# Altium PCB UNT 3-ALL.pcbdoc (part 3 of 4) (continued)
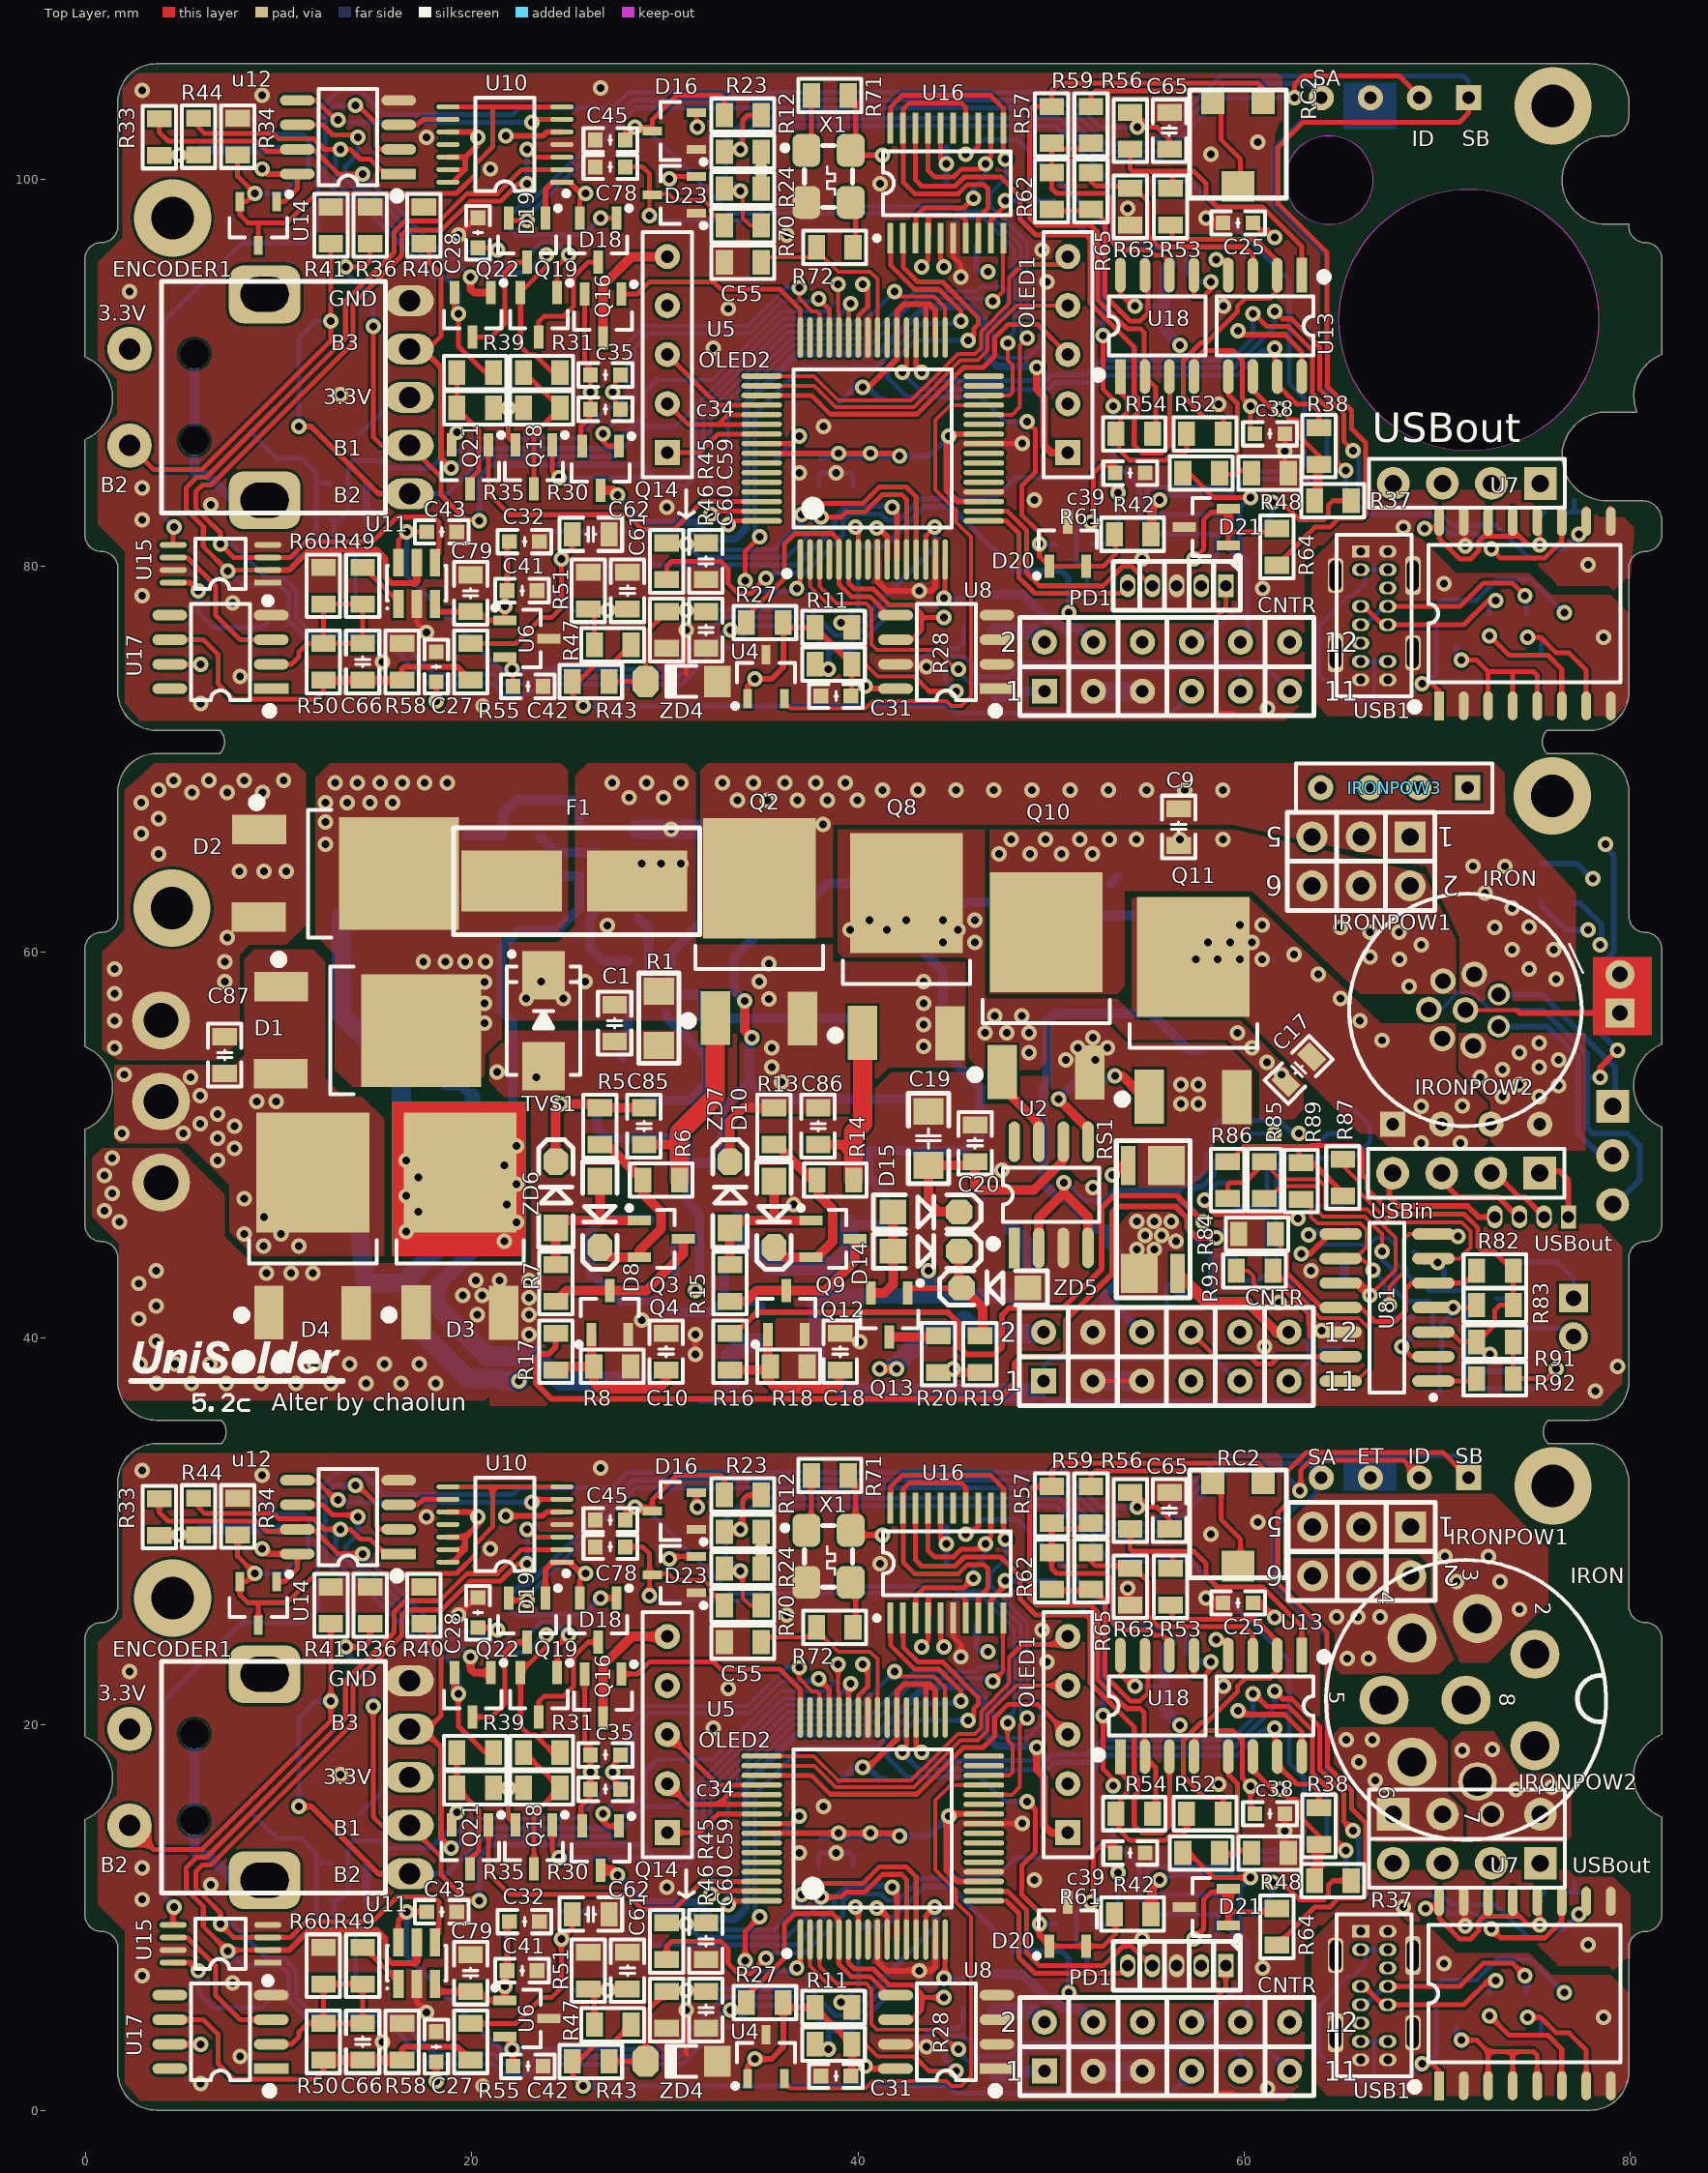
[diagram p0: Top Layer view]
## Nets (pads, with @x,y where several pads share a name; then routed paths per layer and width w, separated by ;. In a path a pad name is that pad's centre, name@x,y a point inside that pad or via, vN(x,y) a via of type N, cw(c..) or ccw(c..) an arc to the next point about the centre after c; other vN are vias at no path point) (continued)
NetR52_2: R52.2 R54.2 U18.1 | length 17.9
  Top Layer w0.254: U18.1@53.594,18.33 53.594,17.526 53.975,17.145 53.975,16.51 53.607,16.142 53.607,15.314 53.533,15.24 53.533,14.539 54.089,13.983 55.918,13.983 56.172,14.237 56.769,14.237 57.023,14.491 R52.2@57.023,15.367 ; U18.1@53.594,89.81 53.594,89.006 53.975,88.625 53.975,87.99 53.607,87.622 53.607,86.794 53.533,86.72 53.533,86.019 54.089,85.463 55.918,85.463 56.172,85.717 56.769,85.717 57.023,85.971 R52.2@57.023,86.847
NetR53_1: R53.1 R56.2 U13.1 | length 28.2
  Top Layer w0.254: R56.2@54.102,30.114 54.102,29.083 54.229,28.956 56.261,28.956 ; R56.2@54.102,101.594 54.102,100.563 54.229,100.436 56.261,100.436 ; R53.1@56.481,28.37 56.296,28.555 56.296,28.921 56.261,28.956 ; R53.1@56.481,99.85 56.296,100.035 56.296,100.401 56.261,100.436 ; U13.1@62.992,23.58 62.992,25.073 60.952,27.113 58.612,27.113 58.039,27.686 58.039,28.321 57.404,28.956 56.261,28.956 ; U13.1@62.992,95.06 62.992,96.553 60.952,98.593 58.612,98.593 58.039,99.166 58.039,99.801 57.404,100.436 56.261,100.436
NetR54_1: R54.1 R57.2 RC2.1 U18.2 | length 72.5
  Top Layer w0.254: R54.1@55.433,15.24 55.433,17.761 U18.2@54.864,18.33 54.815,18.379 54.815,20.623 54.623,20.815 53.939,20.815 53.877,20.877 ; R54.1@55.433,86.72 55.433,89.241 U18.2@54.864,89.81 54.815,89.859 54.815,92.103 54.623,92.295 53.939,92.295 53.877,92.357 ; RC2.1@60.817,32.153 RC2.1@60.817,32.58 ; RC2.1@60.817,103.633 RC2.1@60.817,104.06 ; RC2.1@60.99,32.58 60.99,33.244 60.706,33.528 50.419,33.528 50.038,33.147 R57.2@50.038,32.319 49.083,32.319 48.895,32.131 48.895,26.543 49.276,26.162 52.07,26.162 52.412,25.82 52.412,22.313 53.721,21.004 ; RC2.1@60.99,104.06 60.99,104.724 60.706,105.008 50.419,105.008 50.038,104.627 R57.2@50.038,103.799 49.083,103.799 48.895,103.611 48.895,98.023 49.276,97.642 52.07,97.642 52.412,97.3 52.412,93.793 53.721,92.484 ; 53.721,21.004 53.75,21.004 53.877,20.877 ; 53.721,21.004 53.848,20.877 53.877,20.877 ; 53.721,92.484 53.848,92.357 53.877,92.357 ; 53.721,92.484 53.75,92.484 53.877,92.357
NetR57_1: R57.1 R59.2 R62.2 U18.6 | length 26.6
  Top Layer w0.254: R57.1@50.038,30.419 50.038,28.067 50.292,27.813 52.831,27.813 53.2,27.444 53.2,25.286 53.594,24.892 55.114,24.892 55.386,24.62 55.771,24.62 56.134,24.257 U18.6@56.134,23.58 ; R57.1@50.038,101.899 50.038,99.547 50.292,99.293 52.831,99.293 53.2,98.924 53.2,96.766 53.594,96.372 55.114,96.372 55.386,96.1 55.771,96.1 56.134,95.737 U18.6@56.134,95.06 ; 50.727,30.114 R59.2@52.07,30.114 ; 50.727,101.594 R59.2@52.07,101.594
NetR59_1: R59.1 RC2.2 RC2.3 | length 24.5
  Top Layer w0.254: R59.1@52.07,32.319 52.07,32.88 52.324,33.134 58.56,33.134 58.817,32.877 58.817,30.591 59.817,29.591 RC2.2@59.817,28.553 ; R59.1@52.07,103.799 52.07,104.36 52.324,104.614 58.56,104.614 58.817,104.357 58.817,102.071 59.817,101.071 RC2.2@59.817,100.033
NetR62_1: R62.1 R65.2 U18.7 | length 23.7
  Top Layer w0.254: R62.1@50.038,26.99 50.104,26.924 52.263,26.924 52.806,26.381 52.806,22.505 54.102,21.209 54.61,21.209 55.023,21.622 55.023,23.421 U18.7@54.864,23.58 ; R62.1@50.038,98.47 50.104,98.404 52.263,98.404 52.806,97.861 52.806,93.985 54.102,92.689 54.61,92.689 55.023,93.102 55.023,94.901 U18.7@54.864,95.06
NetR63_2: R63.2 R65.1 U13.3 | length 25.7
  Top Layer w0.254: R65.1@52.07,28.89 52.07,28.448 52.311,28.207 52.994,28.207 53.007,28.194 54.244,28.194 R63.2@54.432,28.382 ; R65.1@52.07,100.37 52.07,99.928 52.311,99.687 52.994,99.687 53.007,99.674 54.244,99.674 R63.2@54.432,99.862 ; R63.2@54.102,28.077 54.346,28.077 55.023,27.4 55.023,25.622 55.594,25.051 60.039,25.051 60.452,24.638 U13.3@60.452,23.58 ; R63.2@54.102,99.557 54.346,99.557 55.023,98.88 55.023,97.102 55.594,96.531 60.039,96.531 60.452,96.118 U13.3@60.452,95.06
NetR71_2: R71.2 X1.1 | length 6.7
  Top Layer w0.254: X1.1@37.585,29.544 37.585,32.886 R71.2@37.592,32.893 ; X1.1@37.585,101.024 37.585,104.366 R71.2@37.592,104.373
NetR72_1: R72.1 X1.3 | length 3.7
  Top Layer w0.254: R72.1@39.885,25.019 X1.3@39.885,26.844 ; R72.1@39.885,96.499 X1.3@39.885,98.324
NetR82_2: R82.2 R84.1 U81.5 U81.11 | length 14.8
  Top Layer w0.254: R84.1@61.878,45.396 61.878,44.661 62.218,44.321 62.218,43.386 64.018,41.586 64.429,41.586 64.44,41.597 66.039,41.597 66.777,40.859 67.821,40.859 68.378,41.416 68.378,42.559 68.675,42.856 U81.5@69.805,42.856 71.408,42.856 R82.2@72.043,43.491
NetR85_1: R85.1 U81.2 | length 17.9
  Top Layer w0.2: R85.1@61.563,47.24 61.563,47.524 61.925,47.886 63.698,47.886 63.845,47.74 63.845,46.543 64.092,46.296 66.251,46.296 67.151,45.396 v1(67.151,44.507)
  Top Layer w0.254: v1(68.167,39.554) 68.675,39.046 U81.2@69.424,39.046
  Bottom Layer w0.254: v1(67.151,44.507) 67.151,44.085 67.786,43.45 67.786,42.518 68.388,41.915 69.572,41.915 69.764,41.724 69.764,40.564 69.572,40.372 68.929,40.372 68.929,40.316 v1(68.167,39.554)
NetR89_2: R89.2 R90.1 U81.7 U81.9 | length 17.9
  Top Layer w0.2: R89.2@63.468,47.192 63.468,46.285 63.807,45.946 66.033,45.946 66.355,45.624 66.355,44.727 U81.9@65.754,44.126 ; U81.9@63.976,44.126 U81.9@65.005,44.126 U81.9@65.754,44.126 ; v1(66.68,43.528) 66.135,44.073 65.807,44.073 U81.9@65.754,44.126 ; v1(67.532,41.713) 67.532,42.671 68.251,43.39 68.251,45.099 68.548,45.396 U81.7@69.805,45.396 69.932,45.269 v1@71.342,45.269
  Bottom Layer w0.2: v1(66.68,43.528) 67.278,42.93 67.278,41.967 v1(67.532,41.713)
  other v1: 71.088,45.269
NetR92_1: R92.1 U81.1 | length 2.7
  Top Layer w0.254: U81.1@69.424,37.776 U81.1@69.805,37.776 71.916,37.776 R92.1@72.043,37.903
NetR93_2: R93.2 U81.14 | length 10.2
  Top Layer w0.2: R93.2@61.624,43.491 61.624,43.447 63.655,41.416 63.655,41.358 63.977,41.036 65.934,41.036 66.488,40.482 66.488,38.44 65.824,37.776 U81.14@65.005,37.776
  Top Layer w0.254: U81.14@64.484,37.776 U81.14@64.738,37.776
NetU10_6: U10.6 u12.5 | length 28.5
  Top Layer w0.254: u12.5@10.964,32.639 11.938,32.639 12.954,31.623 v1(13.081,31.623) ; u12.5@10.964,104.119 11.938,104.119 12.954,103.103 v1(13.081,103.103) ; v1(23.114,31.496) 23.271,31.653 U10.6@24.667,31.653 ; v1(23.114,102.976) 23.271,103.133 U10.6@24.667,103.133
  Bottom Layer w0.254: v1(13.081,31.623) 13.208,31.496 v1(23.114,31.496) ; v1(13.081,103.103) 13.208,102.976 v1(23.114,102.976)
NetU10_9: U10.9 u12.3 | length 5.3
  Top Layer w0.254: u12.3@16.214,31.369 17.194,31.369 17.478,31.653 U10.9@18.767,31.653 ; u12.3@16.214,102.849 17.194,102.849 17.478,103.133 U10.9@18.767,103.133
NetU15_6: U15.6 U17.3 | length 15.5
  Top Layer w0.254: U15.6@4.535,8.961 5.263,8.961 6.731,7.493 6.731,5.969 8.001,4.699 U17.3@9.61,4.699 ; U15.6@4.535,80.441 5.263,80.441 6.731,78.973 6.731,77.449 8.001,76.179 U17.3@9.61,76.179
NetU16_3: U16.3 U16.12 U16.17 | length 28.6
  Top Layer w0.254: U16.3@42.985,25.5 42.993,25.508 42.993,26.61 43.447,27.064 45.479,27.064 v1(45.974,27.559) ; U16.3@42.985,96.98 42.993,96.988 42.993,98.09 43.447,98.544 45.479,98.544 v1(45.974,99.039) ; U16.17@43.635,31.2 43.635,29.009 43.974,28.67 44.955,28.67 44.958,28.673 45.349,29.064 46.336,29.064 v1(46.609,29.337) 46.482,29.337 46.885,29.74 46.885,29.994 ; U16.17@43.635,102.68 43.635,100.489 43.974,100.15 44.955,100.15 44.958,100.153 45.349,100.544 46.336,100.544 v1(46.609,100.817) 46.482,100.817 46.885,101.22 46.885,101.474 ; U16.12@46.885,31.2 46.885,29.994 ; U16.12@46.885,102.68 46.885,101.474 ; 46.893,30.002 46.885,29.994 ; 46.893,101.482 46.885,101.474
  Bottom Layer w0.254: v1(45.974,27.559) 45.974,28.067 46.609,28.702 v1(46.609,29.337) ; v1(45.974,99.039) 45.974,99.547 46.609,100.182 v1(46.609,100.817)
NetU16_8: U16.8 U16.14 U16.19 | length 29.2
  Top Layer w0.254: U16.14@45.593,31.965 45.593,32.258 45.339,32.512 42.672,32.512 42.343,32.183 42.343,28.396 42.939,27.8 45.199,27.8 45.675,28.276 46.527,28.276 46.736,28.067 46.736,27.051 46.243,26.558 46.243,26.201 U16.8@46.26,26.184 ; U16.14@45.593,103.445 45.593,103.738 45.339,103.992 42.672,103.992 42.343,103.663 42.343,99.876 42.939,99.28 45.199,99.28 45.675,99.756 46.527,99.756 46.736,99.547 46.736,98.531 46.243,98.038 46.243,97.681 U16.8@46.26,97.664
NetZD1_1: ZD1.1 ZD2.2 | length 2.6
  Bottom Layer w0.5: ZD2.2@17.189,62.732 19.602,62.732 ZD1.1@19.729,62.605
"OLED CS": OLED2.3 U5.52 | length 11.9
  Top Layer w0.254: OLED2.3@30.127,19.468 32.74,16.855 U5.52@35.015,16.855 ; OLED2.3@30.127,90.948 32.74,88.335 U5.52@35.015,88.335
"OLED D/C": OLED2.2 U5.53 U5.54 | length 15.6
  Top Layer w0.254: OLED2.2@30.127,16.928 31.2,15.855 32.766,15.855 ; OLED2.2@30.127,88.408 31.2,87.335 32.766,87.335 ; U5.54@35.015,15.855 32.766,15.855 ; U5.53@35.015,16.355 33.246,16.355 33.246,16.335 32.766,15.855 ; U5.54@35.015,87.335 32.766,87.335 ; U5.53@35.015,87.835 33.246,87.835 33.246,87.815 32.766,87.335
"OLED RES": OLED2.1 U5.55 | length 10.6
  Top Layer w0.254: OLED2.1@30.127,14.388 31.787,14.388 32.754,15.355 U5.55@35.015,15.355 ; OLED2.1@30.127,85.868 31.787,85.868 32.754,86.835 U5.55@35.015,86.835
"OLED SCK": OLED1.5 U5.49 | length 41.5
  Top Layer w0.2: U5.49@35.015,18.355 37.719,18.355 38.984,17.09 42.76,17.09 43.947,18.277 43.947,18.283 45.173,19.509 46.052,19.509 46.378,19.835 46.378,20.659 47.842,22.123 47.842,23.458 47.912,23.528 ; U5.49@35.015,89.835 37.719,89.835 38.984,88.57 42.76,88.57 43.947,89.757 43.947,89.763 45.173,90.989 46.052,90.989 46.378,91.315 46.378,92.139 47.842,93.603 47.842,94.938 47.912,95.008
  Top Layer w0.254: 47.912,23.528 48.514,24.13 50.459,24.13 OLED1.5@50.877,24.548 ; 47.912,95.008 48.514,95.61 50.459,95.61 OLED1.5@50.877,96.028
"OLED SDI": OLED1.4 U5.50 | length 38
  Top Layer w0.2: U5.50@35.015,17.855 37.738,17.855 38.843,16.75 42.901,16.75 44.287,18.136 44.287,18.142 45.314,19.169 46.22,19.169 46.718,19.667 46.718,20.518 48.208,22.008 OLED1.4@50.877,22.008 ; U5.50@35.015,89.335 37.738,89.335 38.843,88.23 42.901,88.23 44.287,89.616 44.287,89.622 45.314,90.649 46.22,90.649 46.718,91.147 46.718,91.998 48.208,93.488 OLED1.4@50.877,93.488
"OLED SDO": OLED1.3 U5.51 | length 38.8
  Top Layer w0.254: U5.51@35.015,17.355 37.592,17.355 38.564,16.383 43.053,16.383 44.654,17.984 44.654,17.99 45.466,18.802 46.488,18.802 47.085,19.399 47.085,20.342 47.777,21.034 49.311,21.034 OLED1.3@50.877,19.468 ; U5.51@35.015,88.835 37.592,88.835 38.564,87.863 43.053,87.863 44.654,89.464 44.654,89.47 45.466,90.282 46.488,90.282 47.085,90.879 47.085,91.822 47.777,92.514 49.311,92.514 OLED1.3@50.877,90.948
ON/OFF: CNTR.11 IC2.2 R21.2 U5.2 | length 88.6
  Top Layer w0.2: U5.2@37.517,8.853 37.517,7.468 38.757,6.228 40.21,6.228 40.369,6.068 40.369,4.164 40.37,3.445 41.021,2.794 42.926,2.794 ; U5.2@37.517,80.333 37.517,78.948 38.757,77.708 40.21,77.708 40.369,77.548 40.369,75.644 40.37,74.925 41.021,74.274 42.926,74.274
  Top Layer w0.254: 42.926,2.794 43.688,2.032 v1(45.085,2.032) ; 42.926,74.274 43.688,73.512 v1(45.085,73.512)
  Bottom Layer w0.254: v1(45.085,2.032) 44.52,2.597 44.52,3.553 44.809,3.842 45.488,3.842 45.879,3.451 45.879,3.016 46.113,2.782 47.856,2.782 48.579,3.505 60.884,3.505 CNTR.11@62.357,2.032 ; v1(45.085,73.512) 44.52,74.077 44.52,75.033 44.809,75.322 45.488,75.322 45.879,74.931 45.879,74.496 46.113,74.262 47.856,74.262 48.579,74.985 60.884,74.985 CNTR.11@62.357,73.512 ; CNTR.11@62.325,37.776 63.351,38.802 63.351,41.83 61.69,43.491 61.69,48.825 62.198,49.333 IC2.2@65.202,49.333 65.674,49.333 66.529,50.188 66.529,51.018 65.547,52 65.18,52 R21.2@64.926,52.254
OSC1: C55.1 R72.2 U5.40 | length 19.2
  Top Layer w0.2: C55.1@34.986,24.257 35.24,24.511 38.227,24.511 38.984,23.754 40.635,23.754 41.016,23.373 41.016,20.358 U5.40@41.017,20.357 ; C55.1@34.986,95.737 35.24,95.991 38.227,95.991 38.984,95.234 40.635,95.234 41.016,94.853 41.016,91.838 U5.40@41.017,91.837
OSC2: U5.39
PGC: PD1.5 U5.17 | length 21
  Top Layer w0.254: U5.17@46.519,10.855 47.692,10.855 48.342,10.205 48.342,7.919 49.162,7.099 53.581,7.099 PD1.5@53.975,7.493 ; U5.17@46.519,82.335 47.692,82.335 48.342,81.685 48.342,79.399 49.162,78.579 53.581,78.579 PD1.5@53.975,78.973
PGD: PD1.4 U5.18 | length 24.9
  Top Layer w0.254: U5.18@46.519,11.355 47.749,11.355 48.736,10.368 48.736,8.16 49.403,7.493 52.705,7.493 53.721,8.509 54.175,8.509 55.191,7.493 PD1.4@55.245,7.493 ; U5.18@46.519,82.835 47.749,82.835 48.736,81.848 48.736,79.64 49.403,78.973 52.705,78.973 53.721,79.989 54.175,79.989 55.191,78.973 PD1.4@55.245,78.973
SCL: R28.2 U5.6 U8.6 U10.2 U11.5 U15.2 | length 199
  Top Layer w0.254: U15.2@9.435,8.311 7.422,8.311 v1(7.366,8.255) 6.096,9.525 6.096,10.565 5.207,11.454 5.207,12.573 5.747,13.113 6.255,13.113 13.462,20.32 13.462,22.25 15.977,24.765 15.977,25.822 16.555,26.401 18.351,26.401 19.755,27.804 21.327,27.804 22.576,29.053 U10.2@24.667,29.053 ; U15.2@9.435,79.791 7.422,79.791 v1(7.366,79.735) 6.096,81.005 6.096,82.045 5.207,82.934 5.207,84.053 5.747,84.593 6.255,84.593 13.462,91.8 13.462,93.73 15.977,96.245 15.977,97.302 16.555,97.881 18.351,97.881 19.755,99.284 21.327,99.284 22.576,100.533 U10.2@24.667,100.533 ; U5.6@39.517,8.853 39.517,7.629 39.817,7.329 40.797,7.329 41.615,6.511 42.829,6.511 43.307,6.032 43.307,5.715 ; U5.6@39.517,80.333 39.517,79.109 39.817,78.809 40.797,78.809 41.615,77.991 42.829,77.991 43.307,77.512 43.307,77.195 ; U8.6@41.952,4.699 42.799,4.699 43.307,5.207 43.307,5.715 ; U8.6@41.952,76.179 42.799,76.179 43.307,76.687 43.307,77.195 ; v1(44.45,5.842) 43.434,5.842 43.307,5.715 ; v1(44.45,77.322) 43.434,77.322 43.307,77.195
  Top Layer w0.3: U15.2@9.435,8.311 10.552,8.311 11.603,9.362 15.068,9.362 15.539,8.891 15.539,7.941 15.8,7.68 15.815,7.68 15.875,7.62 17.018,7.62 ; U15.2@9.435,79.791 10.552,79.791 11.603,80.842 15.068,80.842 15.539,80.371 15.539,79.421 15.8,79.16 15.815,79.16 15.875,79.1 17.018,79.1 ; U11.5@17.272,8.695 U11.5@17.272,8.971 ; U11.5@17.272,80.175 U11.5@17.272,80.451
  Top Layer w0.4: 17.018,7.62 17.145,7.747 U11.5@17.145,8.695 ; 17.018,79.1 17.145,79.227 U11.5@17.145,80.175
  Bottom Layer w0.254: v1(7.366,8.255) 8.123,7.498 10.106,7.498 10.528,7.076 10.528,5.679 11.635,4.572 15.621,4.572 17.766,2.427 21.096,2.427 21.619,1.905 23.036,1.905 23.518,2.387 30.884,2.387 32.815,4.318 33.455,4.318 34.572,5.435 37.211,5.435 38.513,4.133 ; v1(7.366,79.735) 8.123,78.978 10.106,78.978 10.528,78.556 10.528,77.159 11.635,76.052 15.621,76.052 17.766,73.907 21.096,73.907 21.619,73.385 23.036,73.385 23.518,73.867 30.884,73.867 32.815,75.798 33.455,75.798 34.572,76.915 37.211,76.915 38.513,75.613 ; v1(38.481,3.175) 38.481,4.101 38.513,4.133 ; v1(38.481,74.655) 38.481,75.581 38.513,75.613 ; v1(44.45,5.842) 41.428,5.842 39.719,4.133 38.513,4.133 ; v1(44.45,77.322) 41.428,77.322 39.719,75.613 38.513,75.613
SDA: R27.2 U5.5 U8.5 U10.3 U11.4 U15.3 | length 186.7
  Top Layer w0.254: U11.4@18.115,8.971 18.316,9.172 18.316,10.779 18.046,11.049 16.129,11.049 14.859,9.779 11.43,9.779 10.612,8.961 U15.3@9.435,8.961 7.676,8.961 v1(6.985,9.652) 6.985,10.233 6.201,11.017 5.701,11.516 5.701,12.36 6.061,12.719 6.496,12.719 13.856,20.079 13.856,22.087 16.383,24.614 16.383,25.654 16.653,25.924 18.431,25.924 19.918,27.41 21.49,27.41 22.401,28.321 v1(22.86,28.321) ; U11.4@18.115,80.451 18.316,80.652 18.316,82.259 18.046,82.529 16.129,82.529 14.859,81.259 11.43,81.259 10.612,80.441 U15.3@9.435,80.441 7.676,80.441 v1(6.985,81.132) 6.985,81.713 6.201,82.497 5.701,82.996 5.701,83.84 6.061,84.199 6.496,84.199 13.856,91.559 13.856,93.567 16.383,96.094 16.383,97.134 16.653,97.404 18.431,97.404 19.918,98.89 21.49,98.89 22.401,99.801 v1(22.86,99.801) ; v1(22.86,30.099) 23.256,29.703 U10.3@24.667,29.703 ; v1(22.86,101.579) 23.256,101.183 U10.3@24.667,101.183 ; v1(33.401,5.207) 33.848,5.207 R27.2@34.229,5.588 34.229,5.908 36.195,7.874 36.195,9.652 36.739,10.196 38.674,10.196 39.017,9.853 U5.5@39.017,8.853 39.017,7.572 39.654,6.935 40.634,6.935 41.6,5.969 U8.5@41.952,5.969 ; v1(33.401,76.687) 33.848,76.687 R27.2@34.229,77.068 34.229,77.388 36.195,79.354 36.195,81.132 36.739,81.676 38.674,81.676 39.017,81.333 U5.5@39.017,80.333 39.017,79.052 39.654,78.415 40.634,78.415 41.6,77.449 U8.5@41.952,77.449
  Bottom Layer w0.254: v1(6.985,9.652) 7.62,9.652 9.38,7.892 10.269,7.892 10.922,7.239 10.922,5.842 11.798,4.966 16.002,4.966 18.072,2.896 21.184,2.896 21.668,2.413 22.987,2.413 23.355,2.781 30.721,2.781 33.147,5.207 v1(33.401,5.207) ; v1(6.985,81.132) 7.62,81.132 9.38,79.372 10.269,79.372 10.922,78.719 10.922,77.322 11.798,76.446 16.002,76.446 18.072,74.376 21.184,74.376 21.668,73.893 22.987,73.893 23.355,74.261 30.721,74.261 33.147,76.687 v1(33.401,76.687) ; v1(22.86,28.321) v1(22.86,30.099) ; v1(22.86,99.801) v1(22.86,101.579)
SENSEA: D19.2 IRON.1@73.195,57.807 IRON.2@75.062,23.628 IRONPOW3.4 R61.2 Radj.2 sensor.1 | length 221.7
  Top Layer w0.254: D19.2@21.91,26.543 22.037,26.416 v1(22.86,26.416) ; D19.2@21.91,98.023 22.037,97.896 v1(22.86,97.896) ; v1@55.499,11.938 v1(55.626,11.938) ; v1@55.499,83.418 v1(55.626,83.418)
  Top Layer w0.5: R61.2@55.228,10.618 55.228,11.54 v1(55.626,11.938) ; R61.2@55.228,82.098 55.228,83.02 v1(55.626,83.418)
  Mid Layer 1 w0.3: IRONPOW3.4@64.003,32.766 65.034,32.766 65.974,31.826 67.81,31.826 68.25,31.386 70.048,31.386 70.488,30.946 71.882,30.946 76.45,26.378 76.45,25.016 IRON.2@75.062,23.628
  Mid Layer 2 w0.3: IRONPOW3.4@63.971,68.51 65.114,69.653 72.993,69.653 73.501,69.145 73.501,67.113 77.819,62.795 v1(77.819,61.144) 77.819,60.864 77.754,60.799 77.754,57.142 77.311,56.699 74.644,56.699 73.536,57.807 IRON.1@73.195,57.807
  Bottom Layer w0.254: v1(22.86,26.416) 22.86,26.597 28.521,32.258 50.401,32.258 52.674,29.985 55.434,29.985 58.964,33.515 63.355,33.515 64.27,32.6 64,32.6 63.697,32.297 63.767,32.226 63.767,32.017 63.183,31.433 62.833,31.433 61.55,30.15 61.55,27.3 64.3,24.55 64.3,13.627 63.679,13.006 60.071,13.006 59.238,12.173 55.48,12.173 55.626,12.027 v1(55.626,11.938) ; v1(22.86,97.896) 22.86,98.077 28.521,103.738 50.401,103.738 52.674,101.465 55.434,101.465 58.964,104.995 63.355,104.995 64.27,104.08 64,104.08 61.55,101.63 61.55,98.78 64.3,96.03 64.3,85.107 63.679,84.486 60.071,84.486 59.238,83.653 55.48,83.653 55.626,83.507 v1(55.626,83.418)
  Bottom Layer w0.3: IRONPOW3.4@63.971,68.51 IRONPOW3.4@63.971,68.635 ; IRON.1@73.195,57.807 75.441,57.807 79.216,54.032 sensor.1@79.216,52 ; Radj.2@75.406,62.607 75.406,62.414 76.676,61.144 v1(77.819,61.144)
SENSEB: D18.1 IRON.1@75.062,18.888 IRON.7@73.183,56.148 IRONPOW3.1 R64.2 sensor.2 | length 255.1
  Top Layer w0.254: v1@26.543,26.543 v1(26.67,26.543) D18.1@27.493,26.543 ; v1@26.543,98.023 v1(26.67,98.023) D18.1@27.493,98.023 ; R64.2@61.706,8.562 63.672,10.528 64.441,10.528 64.911,10.998 66.105,10.998 66.304,11.197 66.304,14.896 65.571,15.629 65.571,16.569 64.322,17.818 64.322,20.014 64.3,20.036 64.3,24.75 61.75,27.3 61.75,30.957 62.233,31.44 62.233,33.083 63.227,34.077 70.312,34.077 IRONPOW3.1@71.623,32.766 ; R64.2@61.706,80.042 63.672,82.008 64.441,82.008 64.911,82.478 66.105,82.478 66.304,82.677 66.304,86.376 65.571,87.109 65.571,88.049 64.322,89.298 64.322,91.494 64.3,91.516 64.3,96.23 61.75,98.78 61.75,101.68 63.05,102.98 71.15,102.98 71.623,103.453 IRONPOW3.1@71.623,104.246
  Mid Layer 1 w0.3: IRONPOW3.1@71.591,68.51 71.591,67.75 74.768,64.573 78.555,64.573 79.274,63.854 79.274,60.958 79.281,60.951 79.281,60.138 78.42,59.277 78.42,57.172 77.78,56.532 74.771,56.532 74.387,56.148 IRON.7@73.183,56.148 ; IRONPOW3.1@71.623,32.766 71.984,32.766 78.25,26.5 78.25,22.076 IRON.1@75.062,18.888
  Bottom Layer w0.254: v1(26.67,26.543) 25.826,25.699 23.437,25.699 23.392,25.654 22.294,25.654 21.921,26.027 21.921,26.62 22.529,27.228 22.932,27.228 28.356,32.652 50.564,32.652 52.837,30.379 55.271,30.379 58.801,33.909 71.341,33.909 71.623,33.627 IRONPOW3.1@71.623,32.766 ; v1(26.67,98.023) 25.826,97.179 23.437,97.179 23.392,97.134 22.294,97.134 21.921,97.507 21.921,98.1 22.529,98.708 22.932,98.708 28.356,104.132 50.564,104.132 52.837,101.859 55.271,101.859 58.801,105.389 71.341,105.389 71.623,105.107 IRONPOW3.1@71.623,104.246 ; IRONPOW3.1@71.89,32.6 IRONPOW3.1@71.89,32.766 ; IRONPOW3.1@71.89,104.08 IRONPOW3.1@71.89,104.246
  Bottom Layer w0.3: IRON.7@73.183,56.148 75.703,56.148 77.311,54.54 77.311,50.603 78.454,49.46 sensor.2@79.089,49.46 sensor.2@79.216,49.46
SGND: C63.2 C64.2 CNTR.12 R37.2 RS1.3 U16.4 U16.7 | length 130.2
  Top Layer w0.254: v1(43.307,24.003) 43.635,24.331 U16.4@43.635,25.5 43.635,26.49 43.669,26.524 ; v1(43.307,95.483) 43.635,95.811 U16.4@43.635,96.98 43.635,97.97 43.669,98.004 ; U16.4@43.643,25.611 43.669,25.636 43.669,26.524 ; U16.4@43.643,97.091 43.669,97.116 43.669,98.004 ; U16.7@45.585,25.5 45.585,26.424 ; U16.7@45.585,96.98 45.585,97.904 ; 45.593,26.416 45.585,26.424 ; 45.593,97.896 45.585,97.904 ; v1@53.206,12.58 v1(53.467,12.319) v1@53.594,12.192 ; v1@53.206,84.06 v1(53.467,83.799) v1@53.594,83.672 ; v1(61.468,11.811) 61.989,11.811 62.878,10.922 64.15,10.922 64.15,10.943 64.361,11.154 64.361,11.661 64.6,11.9 R37.2@65.55,11.9 ; v1(61.468,83.291) 61.989,83.291 62.878,82.402 64.15,82.402 64.15,82.423 64.361,82.634 64.361,83.141 64.6,83.38 R37.2@65.55,83.38 ; R37.2@65.72,11.9 R37.2@65.72,12.065 ; R37.2@65.72,83.38 R37.2@65.72,83.545 ; 43.669,26.524 43.815,26.67 45.339,26.67 45.585,26.424 ; 43.669,98.004 43.815,98.15 45.339,98.15 45.585,97.904
  Top Layer w0.5: 60.166,41.84 CNTR.12@61.69,40.316
  Top Layer w0.6: RS1.3@56.559,43.364 58.083,41.84 60.166,41.84 ; CNTR.12@61.69,40.316 CNTR.12@62.325,40.316
  Mid Layer 2 w0.8: v1(43.307,24.003) 43.307,25.273 44.069,26.035 52.451,26.035 55.296,23.19 55.296,16.561 53.213,14.478 53.213,11.811 54.102,10.922 61.468,10.922 ; v1(43.307,95.483) 43.307,96.753 44.069,97.515 52.451,97.515 55.296,94.67 55.296,88.041 53.213,85.958 53.213,83.291 54.102,82.402 61.468,82.402 ; v1(61.468,11.811) 61.468,10.922 ; v1(61.468,83.291) 61.468,82.402 ; CNTR.12@62.357,4.445 CNTR.12@62.357,4.572 62.357,10.033 61.468,10.922 ; CNTR.12@62.357,75.925 CNTR.12@62.357,76.052 62.357,81.513 61.468,82.402
  Bottom Layer w0.254: C63.2@52.131,9.652 52.959,9.652 53.467,10.16 v1(53.467,12.319) ; C63.2@52.131,81.132 52.959,81.132 53.467,81.64 v1(53.467,83.799) ; C64.2@60.513,10.16 61.468,11.115 v1(61.468,11.811) ; C64.2@60.513,81.64 61.468,82.595 v1(61.468,83.291)
SHUNT: CNTR.10 R42.2 RS1.4 | length 60.5
  Top Layer w0.254: R42.2@56.772,13.272 57.215,13.272 58.421,12.065 v1(60.325,12.065) ; R42.2@56.772,84.752 57.215,84.752 58.421,83.545 v1(60.325,83.545)
  Top Layer w0.5: v1(53.181,48.444) 53.841,49.104 RS1.4@53.994,48.952
  Mid Layer 1 w0.3: v1(53.181,48.444) 52.826,48.799 50.413,48.799 49.296,47.682 42.64,47.682 42.259,47.301 42.259,42.094 42.833,41.52 58.581,41.52
  Mid Layer 1 w1: 58.581,41.52 CNTR.10@59.785,40.316
  Bottom Layer w0.254: CNTR.10@59.817,4.572 60.198,4.953 60.198,8.763 59.779,9.182 59.779,11.519 v1(60.325,12.065) ; CNTR.10@59.817,76.052 60.198,76.433 60.198,80.243 59.779,80.661 59.779,82.999 v1(60.325,83.545)
SLEEP: CNTR.8 R12.1 R23.2 R93.1 U81.13 | length 152.2
  Top Layer w0.2: R93.1@59.597,43.491 60.211,43.491 60.486,43.216 60.486,42.856 60.784,42.558 62.019,42.558 63.305,41.271 63.305,40.728 63.378,40.655 63.378,40.117 63.595,39.899 63.595,39.046
  Top Layer w0.254: R12.1@33.086,29.972 33.782,29.972 v1(33.909,30.099) 34.036,30.226 34.036,31.623 34.29,31.877 R23.2@34.986,31.877 ; R12.1@33.086,101.452 33.782,101.452 v1(33.909,101.579) 34.036,101.706 34.036,103.103 34.29,103.357 R23.2@34.986,103.357 ; CNTR.8@57.245,40.316 58.515,39.046 60.293,39.046 60.674,38.665 61.436,38.665 61.817,39.046 63.595,39.046 U81.13@65.005,39.046
  Bottom Layer w0.254: v1(33.909,30.099) 33.909,30.607 34.632,31.33 50.215,31.33 53.097,28.448 57.201,28.448 62.331,23.318 62.331,18.011 63.119,17.223 63.119,13.716 62.827,13.424 59.779,13.424 58.96,12.605 55.15,12.605 54.959,12.414 54.959,11.462 55.232,11.189 59.229,11.189 59.385,11.033 59.385,9.018 59.804,8.6 59.804,6.591 57.785,4.572 CNTR.8@57.277,4.572 ; v1(33.909,101.579) 33.909,102.087 34.632,102.81 50.215,102.81 53.097,99.928 57.201,99.928 62.331,94.798 62.331,89.491 63.119,88.703 63.119,85.196 62.827,84.904 59.779,84.904 58.96,84.085 55.15,84.085 54.959,83.894 54.959,82.942 55.232,82.669 59.229,82.669 59.385,82.513 59.385,80.498 59.804,80.08 59.804,78.071 57.785,76.052 CNTR.8@57.277,76.052
SPEAKER: C57.2 Q20.1 U5.46 | length 75
  Top Layer w0.2: v1(36.956,22.944) 36.956,22.379 37.624,21.712 37.851,21.712 38.017,21.546 U5.46@38.017,20.357 ; v1(36.956,94.424) 36.956,93.859 37.624,93.192 37.851,93.192 38.017,93.026 U5.46@38.017,91.837
  Bottom Layer w0.2: 20.051,15.113 25.4,15.113 27.035,16.748 27.432,16.748 28.067,17.383 28.067,20.066 28.956,20.955 34.29,20.955 36.279,22.944 v1(36.956,22.944) ; 20.051,86.593 25.4,86.593 27.035,88.228 27.432,88.228 28.067,88.863 28.067,91.546 28.956,92.435 34.29,92.435 36.279,94.424 v1(36.956,94.424)
  Bottom Layer w0.254: Q20.1@12.893,9.271 12.893,10.668 12.639,10.922 13.208,10.922 13.589,11.303 13.589,13.716 13.843,13.97 15.24,13.97 15.621,13.589 17.871,13.589 18.76,14.478 19.416,14.478 20.051,15.113 ; Q20.1@12.893,80.751 12.893,82.148 12.639,82.402 13.208,82.402 13.589,82.783 13.589,85.196 13.843,85.45 15.24,85.45 15.621,85.069 17.871,85.069 18.76,85.958 19.416,85.958 20.051,86.593
TIP_CHANGE: R88.2 SLTIP.1 | length 4.2
  Bottom Layer w0.254: R88.2@74.263,43.933 76.234,43.933 77.057,43.11 SLTIP.1@77.057,42.078
USBD+: U5.37 U7.10 | length 100.4
  Top Layer w0.254: v1(42.291,18.542) 42.291,18.669 42.517,18.895 U5.37@42.517,20.357 ; v1(42.291,90.022) 42.291,90.149 42.517,90.375 U5.37@42.517,91.837 ; v1(61.595,21.717) 61.995,21.317 62.462,21.317 63.928,19.851 63.928,17.655 65.177,16.406 65.177,14.96 v1(65.637,14.5) ; v1(61.595,93.197) 61.995,92.797 62.462,92.797 63.928,91.331 63.928,89.135 65.177,87.886 65.177,86.44 v1(65.637,85.98) ; v1(77.343,10.16) 77.724,10.541 U7.10@77.724,11.506 ; v1(77.343,81.64) 77.724,82.021 U7.10@77.724,82.986
  Bottom Layer w0.254: v1(42.291,18.542) 43.167,17.666 46.518,17.666 46.531,17.653 49.833,17.653 50.214,18.034 51.992,18.034 52.753,18.795 59.484,18.795 61.595,20.906 v1(61.595,21.717) ; v1(42.291,90.022) 43.167,89.146 46.518,89.146 46.531,89.133 49.833,89.133 50.214,89.514 51.992,89.514 52.753,90.275 59.484,90.275 61.595,92.386 v1(61.595,93.197) ; v1(65.637,14.5) 65.85,14.5 65.945,14.405 65.945,12.255 66.616,11.584 69.823,11.584 69.997,11.41 70.01,11.41 70.77,10.65 73.043,10.65 74.751,8.942 75.587,8.942 76.043,9.398 76.581,9.398 v1(77.343,10.16) ; v1(65.637,85.98) 65.85,85.98 65.945,85.885 65.945,83.735 66.606,83.074 69.826,83.074 70.77,82.13 73.043,82.13 74.751,80.422 75.587,80.422 76.043,80.878 76.581,80.878 v1(77.343,81.64)